# Altium PCB radioboard.PcbDoc (part 6 of 9)
Units mm, origin at the board's own origin, x right, y up, seen from the top; angles counter-clockwise.
Board outline 69.97 x 64.48 mm, 4 copper layers (Top Layer, Signal Layer 1, Signal Layer 2, Bottom Layer), stack 1.56 mm thick; 258 components, 165 nets, 993 pads, 10021 vias.
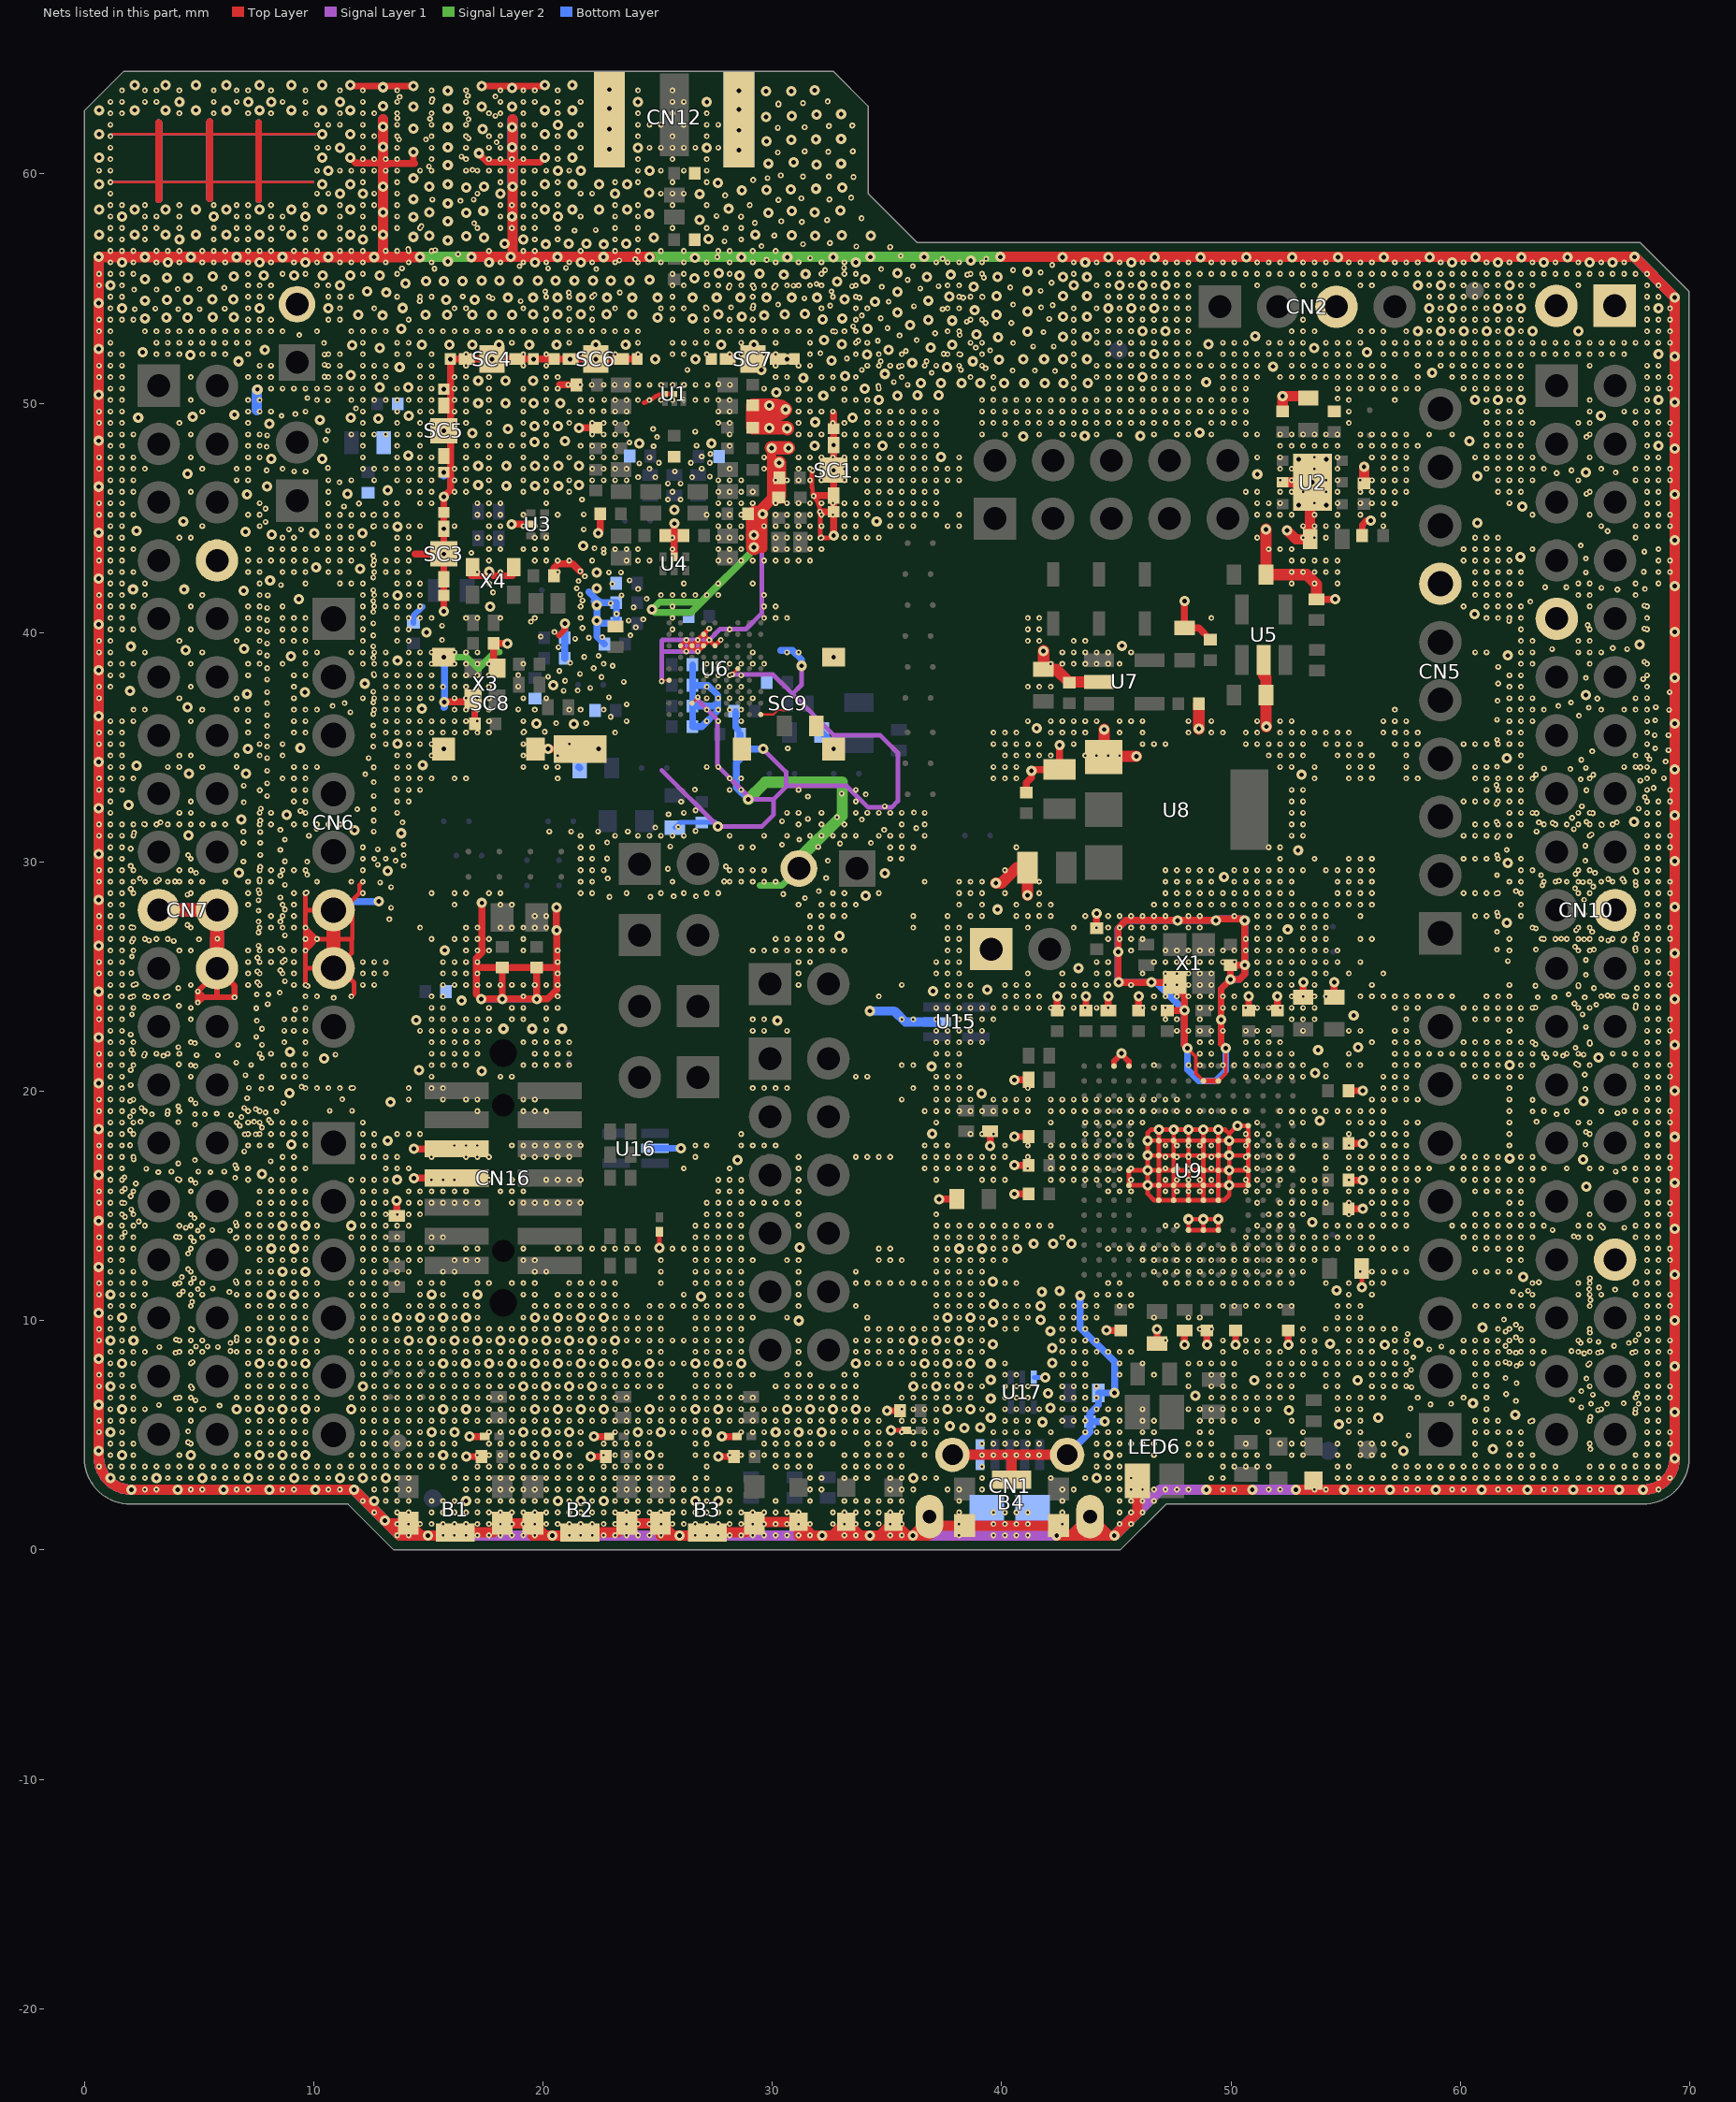
[diagram p8: the nets of this part, all layers, seen from the top]

## Via types
v1: diameter 0.25, hole 0.1, Signal Layer 2 to Bottom Layer, tented bottom, 4578 vias
v2: diameter 0.25, hole 0.1, Top Layer to Signal Layer 1, tented top, 4140 vias
v3: diameter 0.45, hole 0.2, Top Layer to Bottom Layer, tented both sides, 1295 vias
v4: diameter 0.25, hole 0.1, Top Layer to Signal Layer 1, tented both sides, 8 vias

## Nets (pads, with @x,y where several pads share a name; then routed paths per layer and width w, separated by ;. In a path a pad name is that pad's centre, name@x,y a point inside that pad or via, vN(x,y) a via of type N, cw(c..) or ccw(c..) an arc to the next point about the centre after c; other vN are vias at no path point) (continued)
GND: (continued)
  other v2: 30.143,0.638 39.643,0.638 40.143,0.638 40.643,0.638 41.143,0.638 30.143,1.138 34.143,1.138 39.643,1.138 40.143,1.138 40.643,1.138 41.143,1.138 45.143,1.138 12.643,1.638 15.143,1.638 15.643,1.638 16.143,1.638 16.643,1.638 17.143,1.638 20.643,1.638 21.143,1.638 21.643,1.638 22.143,1.638 22.643,1.638 26.143,1.638 26.643,1.638 27.143,1.638 27.643,1.638 28.143,1.638 30.143,1.638 34.143,1.638 39.643,1.638 40.143,1.638 40.643,1.638 41.143,1.638 45.143,1.638 45.643,1.638 12.143,2.138 13.143,2.138 15.143,2.138 15.643,2.138 16.143,2.138 17.143,2.138 21.143,2.138 22.143,2.138 26.143,2.138 27.143,2.138 28.143,2.138 30.143,2.138 34.143,2.138 2.643,2.638 3.143,2.638 4.643,2.638 5.143,2.638 6.643,2.638 7.143,2.638 8.643,2.638 9.143,2.638 10.643,2.638 11.143,2.638 12.643,2.638 13.143,2.638 32.143,2.638 36.143,2.638 39.143,2.638 44.643,2.638 49.643,2.638 50.143,2.638 55.643,2.638 56.143,2.638 57.643,2.638 58.143,2.638 59.643,2.638 60.143,2.638 61.643,2.638 62.143,2.638 63.643,2.638 64.143,2.638 65.643,2.638 66.143,2.638 1.643,3.138 2.143,3.138 2.643,3.138 3.643,3.138 4.143,3.138 4.643,3.138 5.643,3.138 6.143,3.138 6.643,3.138 7.643,3.138 8.143,3.138 8.643,3.138 9.643,3.138 10.143,3.138 10.643,3.138 11.643,3.138 12.643,3.138 32.143,3.138 34.143,3.138 39.143,3.138 43.643,3.138 44.643,3.138 49.143,3.138 49.643,3.138 54.643,3.138 55.143,3.138 55.643,3.138 56.143,3.138 56.643,3.138 57.143,3.138 57.643,3.138 58.143,3.138 58.643,3.138 59.143,3.138 59.643,3.138 60.143,3.138 60.643,3.138 61.143,3.138 61.643,3.138 62.143,3.138 62.643,3.138 63.143,3.138 63.643,3.138 64.143,3.138 64.643,3.138 65.143,3.138 65.643,3.138 66.143,3.138 66.643,3.138 67.143,3.138 67.643,3.138 68.143,3.138 68.643,3.138 69.143,3.138 0.643,3.638 1.143,3.638 1.643,3.638 2.143,3.638 2.643,3.638 3.143,3.638 3.643,3.638 4.143,3.638 4.643,3.638 5.143,3.638 5.643,3.638 6.143,3.638 6.643,3.638 7.143,3.638 7.643,3.638 8.143,3.638 8.643,3.638 9.143,3.638 9.643,3.638 10.143,3.638 10.643,3.638 11.143,3.638 11.643,3.638 12.143,3.638 12.643,3.638 13.143,3.638 14.143,3.638 14.643,3.638 15.143,3.638 15.643,3.638 16.143,3.638 19.143,3.638 19.643,3.638 20.143,3.638 20.643,3.638 21.143,3.638 21.643,3.638 24.643,3.638 25.143,3.638 27.143,3.638 30.143,3.638 30.643,3.638 31.143,3.638 31.643,3.638 33.143,3.638 33.643,3.638 34.143,3.638 34.643,3.638 35.143,3.638 35.643,3.638 39.143,3.638 44.143,3.638 44.643,3.638 49.643,3.638 54.643,3.638 55.143,3.638 57.143,3.638 57.643,3.638 58.143,3.638 58.643,3.638 59.143,3.638 59.643,3.638 60.143,3.638 60.643,3.638 61.143,3.638 61.643,3.638 62.143,3.638 62.643,3.638 63.143,3.638 63.643,3.638 64.143,3.638 65.643,3.638 66.143,3.638 66.643,3.638 67.143,3.638 67.643,3.638 68.143,3.638 68.643,3.638 1.143,4.138 2.143,4.138 4.143,4.138 6.643,4.138 7.143,4.138 8.143,4.138 9.143,4.138 12.143,4.138 12.643,4.138 14.643,4.138 15.143,4.138 16.143,4.138 19.143,4.138 20.143,4.138 21.143,4.138 25.143,4.138 26.643,4.138 27.143,4.138 30.143,4.138 30.643,4.138 31.143,4.138 31.643,4.138 33.643,4.138 34.143,4.138 34.643,4.138 35.143,4.138 35.643,4.138 39.143,4.138 39.643,4.138 40.143,4.138 40.643,4.138 41.143,4.138 41.643,4.138 44.143,4.138 48.143,4.138 48.643,4.138 49.143,4.138 49.643,4.138 54.643,4.138 60.643,4.138 62.143,4.138 62.643,4.138 63.143,4.138 67.643,4.138 68.143,4.138 68.643,4.138 65.675,4.4 1.143,4.638 1.643,4.638 7.143,4.638 7.643,4.638 8.143,4.638 8.643,4.638 9.143,4.638 9.643,4.638 12.143,4.638 15.143,4.638 15.643,4.638 16.143,4.638 18.643,4.638 19.143,4.638 19.643,4.638 20.143,4.638 20.643,4.638 21.143,4.638 21.643,4.638 24.143,4.638 24.643,4.638 26.643,4.638 27.143,4.638 29.643,4.638 30.143,4.638 30.643,4.638 31.143,4.638 31.643,4.638 32.143,4.638 32.643,4.638 34.143,4.638 34.643,4.638 35.143,4.638 39.143,4.638 39.643,4.638 40.143,4.638 40.643,4.638 41.143,4.638 41.643,4.638 44.143,4.638 44.643,4.638 45.143,4.638 45.643,4.638 46.143,4.638 46.643,4.638 48.143,4.638 48.643,4.638 49.143,4.638 54.643,4.638 57.143,4.638 60.643,4.638 62.143,4.638 62.643,4.638 68.143,4.638 68.643,4.638 69.143,4.638 4.525,4.7 57.75,5 0.643,5.138 1.643,5.138 7.143,5.138 7.643,5.138 8.143,5.138 8.643,5.138 9.143,5.138 9.643,5.138 12.143,5.138 12.643,5.138 15.643,5.138 18.643,5.138 19.643,5.138 20.643,5.138 21.643,5.138 24.643,5.138 26.643,5.138 29.643,5.138 30.643,5.138 31.643,5.138 32.643,5.138 33.143,5.138 34.643,5.138 37.143,5.138 39.643,5.138 40.143,5.138 40.643,5.138 41.143,5.138 42.143,5.138 43.643,5.138 44.143,5.138 44.643,5.138 48.643,5.138 49.143,5.138 55.143,5.138 60.643,5.138 61.143,5.138 61.643,5.138 62.143,5.138 62.643,5.138 68.143,5.138 68.643,5.138 69.143,5.138 4.525,5.175 63.05,5.6 0.643,5.638 1.143,5.638 1.643,5.638 2.143,5.638 4.643,5.638 7.143,5.638 7.643,5.638 8.143,5.638 8.643,5.638 9.143,5.638 9.643,5.638 12.143,5.638 12.643,5.638 14.643,5.638 15.143,5.638 15.643,5.638 16.143,5.638 16.643,5.638 17.143,5.638 19.143,5.638 19.643,5.638 20.143,5.638 20.643,5.638 21.143,5.638 21.643,5.638 22.143,5.638 22.643,5.638 24.143,5.638 24.643,5.638 25.143,5.638 26.643,5.638 27.143,5.638 27.643,5.638 28.143,5.638 30.143,5.638 30.643,5.638 31.143,5.638 31.643,5.638 32.143,5.638 32.643,5.638 33.143,5.638 33.643,5.638 37.143,5.638 40.143,5.638 40.643,5.638 41.143,5.638 42.643,5.638 43.143,5.638 43.643,5.638 50.143,5.638 51.143,5.638 52.643,5.638 55.143,5.638 55.643,5.638 60.643,5.638 61.143,5.638 61.643,5.638 68.143,5.638 68.643,5.638 65.675,5.8 67.625,5.975 66,6.1 1.143,6.138 2.143,6.138 2.643,6.138 4.143,6.138 7.143,6.138 8.143,6.138 9.143,6.138 10.143,6.138 12.143,6.138 16.143,6.138 17.143,6.138 19.143,6.138 20.143,6.138 21.143,6.138 22.143,6.138 24.143,6.138 25.143,6.138 27.143,6.138 28.143,6.138 30.143,6.138 31.143,6.138 32.143,6.138 33.143,6.138 37.143,6.138 38.143,6.138 39.143,6.138 40.143,6.138 40.643,6.138 41.143,6.138 41.643,6.138 42.643,6.138 43.143,6.138 43.643,6.138 44.143,6.138 44.643,6.138 50.143,6.138 50.643,6.138 51.143,6.138 51.643,6.138 54.643,6.138 55.143,6.138 55.643,6.138 61.143,6.138 68.143,6.138 68.643,6.138 5.2,6.15 57.825,6.175 65.275,6.225 5.9,6.3 3.25,6.325 58.7,6.35 59.6,6.375 65.7,6.375 66.4,6.375 67.775,6.375 67.125,6.4 62.425,6.5 4.85,6.525 64.875,6.55 4,6.625 1.143,6.638 1.643,6.638 2.143,6.638 6.643,6.638 7.143,6.638 7.643,6.638 8.143,6.638 8.643,6.638 9.143,6.638 9.643,6.638 11.643,6.638 12.143,6.638 19.143,6.638 19.643,6.638 20.143,6.638 20.643,6.638 21.143,6.638 21.643,6.638 22.143,6.638 22.643,6.638 25.143,6.638 26.643,6.638 27.143,6.638 27.643,6.638 28.143,6.638 30.643,6.638 31.143,6.638 31.643,6.638 32.143,6.638 32.643,6.638 33.143,6.638 33.643,6.638 37.143,6.638 37.643,6.638 38.143,6.638 38.643,6.638 40.143,6.638 40.643,6.638 41.143,6.638 42.643,6.638 43.143,6.638 43.643,6.638 44.143,6.638 49.143,6.638 49.643,6.638 50.143,6.638 50.643,6.638 51.143,6.638 51.643,6.638 52.143,6.638 52.643,6.638 54.643,6.638 55.143,6.638 55.643,6.638 56.143,6.638 56.643,6.638 58.143,6.638 60.143,6.638 61.143,6.638 68.143,6.638 68.643,6.638 69.143,6.638 65.775,6.775 62,6.8 67.725,6.825 65.275,6.925 4.7,7.05 57.875,7.1 0.643,7.138 1.643,7.138 7.143,7.138 7.643,7.138 8.143,7.138 8.643,7.138 9.143,7.138 9.643,7.138 15.643,7.138 16.143,7.138 16.643,7.138 17.143,7.138 19.643,7.138 20.643,7.138 21.643,7.138 22.643,7.138 24.643,7.138 25.143,7.138 26.643,7.138 27.143,7.138 27.643,7.138 28.143,7.138 30.143,7.138 30.643,7.138 31.143,7.138 31.643,7.138 32.143,7.138 32.643,7.138 33.143,7.138 33.643,7.138 36.643,7.138 37.643,7.138 38.643,7.138 39.143,7.138 40.143,7.138 40.643,7.138 41.143,7.138 42.643,7.138 43.143,7.138 43.643,7.138 44.143,7.138 51.643,7.138 52.143,7.138 52.643,7.138 54.143,7.138 54.643,7.138 56.143,7.138 56.643,7.138 60.643,7.138 61.143,7.138 68.143,7.138 68.643,7.138 69.143,7.138 62.45,7.275 65.5,7.475 61.975,7.5 0.643,7.638 1.143,7.638 1.643,7.638 7.143,7.638 7.643,7.638 8.143,7.638 8.643,7.638 9.143,7.638 9.643,7.638 12.143,7.638 15.643,7.638 16.143,7.638 16.643,7.638 17.143,7.638 17.643,7.638 18.143,7.638 18.643,7.638 19.143,7.638 19.643,7.638 20.143,7.638 20.643,7.638 21.143,7.638 21.643,7.638 22.143,7.638 22.643,7.638 23.143,7.638 23.643,7.638 24.143,7.638 24.643,7.638 25.143,7.638 26.643,7.638 27.143,7.638 27.643,7.638 28.143,7.638 28.643,7.638 29.143,7.638 30.643,7.638 31.143,7.638 31.643,7.638 33.143,7.638 33.643,7.638 36.143,7.638 36.643,7.638 37.143,7.638 37.643,7.638 38.143,7.638 38.643,7.638 40.143,7.638 40.643,7.638 42.643,7.638 43.143,7.638 43.643,7.638 45.143,7.638 51.643,7.638 52.143,7.638 52.643,7.638 53.143,7.638 54.143,7.638 54.643,7.638 56.143,7.638 56.643,7.638 60.643,7.638 61.143,7.638 68.143,7.638 68.643,7.638 57.85,7.85 62.45,8.025 65.575,8.075 1.143,8.138 2.143,8.138 7.143,8.138 8.143,8.138 9.143,8.138 12.143,8.138 16.143,8.138 17.143,8.138 18.143,8.138 19.143,8.138 20.143,8.138 21.143,8.138 22.143,8.138 23.143,8.138 24.143,8.138 25.143,8.138 27.143,8.138 28.143,8.138 31.143,8.138 36.143,8.138 37.143,8.138 38.143,8.138 40.143,8.138 43.143,8.138 43.643,8.138 45.143,8.138 48.143,8.138 48.643,8.138 49.143,8.138 49.643,8.138 50.143,8.138 51.643,8.138 52.143,8.138 52.643,8.138 53.143,8.138 53.643,8.138 54.143,8.138 54.643,8.138 55.143,8.138 55.643,8.138 56.143,8.138 56.643,8.138 60.643,8.138 61.143,8.138 68.143,8.138 68.643,8.138 4.725,8.2 61.975,8.2 57.95,8.4 65.4,8.575 3.975,8.6 62.425,8.6 66,8.6 67.5,8.6 1.143,8.638 1.643,8.638 2.143,8.638 2.643,8.638 7.643,8.638 8.143,8.638 8.643,8.638 9.143,8.638 9.643,8.638 10.143,8.638 11.643,8.638 12.143,8.638 15.643,8.638 16.143,8.638 16.643,8.638 17.143,8.638 17.643,8.638 18.143,8.638 18.643,8.638 19.143,8.638 19.643,8.638 20.143,8.638 20.643,8.638 21.143,8.638 21.643,8.638 22.143,8.638 22.643,8.638 23.143,8.638 24.643,8.638 25.143,8.638 26.643,8.638 27.143,8.638 27.643,8.638 28.143,8.638 28.643,8.638 31.143,8.638 36.143,8.638 36.643,8.638 37.143,8.638 37.643,8.638 38.143,8.638 38.643,8.638 39.143,8.638 42.643,8.638 43.143,8.638 43.643,8.638 44.143,8.638 44.643,8.638 45.143,8.638 45.643,8.638 49.643,8.638 50.643,8.638 52.143,8.638 53.143,8.638 53.643,8.638 54.643,8.638 55.143,8.638 55.643,8.638 56.143,8.638 60.143,8.638 60.643,8.638 61.143,8.638 68.143,8.638 68.643,8.638 69.143,8.638 6.375,8.675 64.85,8.675 58.65,8.75 3.275,8.85 5.825,8.85 4.875,8.875 5.375,8.875 59.175,8.875 61.975,8.9 66.7,8.9 6.375,9.025 65.25,9.025 67.35,9.025 66.025,9.075 0.643,9.138 1.643,9.138 7.643,9.138 8.643,9.138 9.643,9.138 10.143,9.138 11.643,9.138 13.143,9.138 13.643,9.138 14.643,9.138 15.643,9.138 16.643,9.138 17.643,9.138 18.643,9.138 19.643,9.138 20.643,9.138 21.643,9.138 22.643,9.138 24.643,9.138 25.143,9.138 26.643,9.138 27.143,9.138 27.643,9.138 28.143,9.138 28.643,9.138 31.143,9.138 36.643,9.138 37.643,9.138 38.643,9.138 39.143,9.138 42.643,9.138 43.143,9.138 43.643,9.138 44.143,9.138 53.643,9.138 55.143,9.138 55.643,9.138 56.143,9.138 60.643,9.138 61.143,9.138 68.143,9.138 68.643,9.138 69.143,9.138 4,9.175 6.65,9.275 62.425,9.275 57.7,9.425 67.775,9.4 65.65,9.475 61.975,9.525 4.7,9.6 0.643,9.638 1.143,9.638 1.643,9.638 7.643,9.638 8.143,9.638 8.643,9.638 9.143,9.638 9.643,9.638 13.143,9.638 13.643,9.638 14.143,9.638 14.643,9.638 15.143,9.638 15.643,9.638 16.143,9.638 16.643,9.638 17.143,9.638 17.643,9.638 18.143,9.638 18.643,9.638 19.143,9.638 19.643,9.638 20.143,9.638 20.643,9.638 21.143,9.638 21.643,9.638 22.143,9.638 22.643,9.638 23.143,9.638 24.643,9.638 25.143,9.638 26.643,9.638 27.143,9.638 27.643,9.638 28.143,9.638 28.643,9.638 36.143,9.638 36.643,9.638 37.143,9.638 37.643,9.638 38.143,9.638 38.643,9.638 39.143,9.638 42.643,9.638 43.143,9.638 43.643,9.638 54.143,9.638 54.643,9.638 55.143,9.638 55.643,9.638 56.143,9.638 68.143,9.638 68.643,9.638 62.425,9.825 61.9,10.05 1.143,10.138 7.643,10.138 8.143,10.138 8.643,10.138 9.143,10.138 9.643,10.138 13.143,10.138 14.143,10.138 15.143,10.138 16.143,10.138 17.143,10.138 19.143,10.138 20.143,10.138 21.143,10.138 22.143,10.138 23.143,10.138 24.643,10.138 25.143,10.138 26.643,10.138 27.143,10.138 27.643,10.138 28.143,10.138 28.643,10.138 29.143,10.138 30.643,10.138 37.143,10.138 38.143,10.138 39.143,10.138 42.643,10.138 43.143,10.138 43.643,10.138 44.143,10.138 54.643,10.138 55.143,10.138 55.643,10.138 68.143,10.138 68.643,10.138 1.143,10.638 1.643,10.638 7.643,10.638 8.143,10.638 8.643,10.638 9.143,10.638 9.643,10.638 14.143,10.638 14.643,10.638 15.143,10.638 15.643,10.638 16.143,10.638 16.643,10.638 17.143,10.638 19.643,10.638 20.143,10.638 20.643,10.638 21.143,10.638 21.643,10.638 22.143,10.638 22.643,10.638 23.143,10.638 24.643,10.638 25.143,10.638 26.643,10.638 27.143,10.638 27.643,10.638 28.143,10.638 28.643,10.638 31.143,10.638 37.143,10.638 37.643,10.638 38.143,10.638 38.643,10.638 39.143,10.638 42.643,10.638 43.143,10.638 43.643,10.638 44.143,10.638 54.643,10.638 55.143,10.638 55.643,10.638 68.143,10.638 68.643,10.638 69.143,10.638 4.7,10.825 65.675,10.9 0.643,11.138 7.643,11.138 8.643,11.138 9.643,11.138 10.143,11.138 11.643,11.138 14.643,11.138 15.643,11.138 16.643,11.138 19.143,11.138 19.643,11.138 20.643,11.138 21.143,11.138 21.643,11.138 22.143,11.138 22.643,11.138 23.143,11.138 27.643,11.138 28.143,11.138 28.643,11.138 31.143,11.138 37.143,11.138 37.643,11.138 38.143,11.138 38.643,11.138 39.143,11.138 44.143,11.138 44.643,11.138 55.143,11.138 56.143,11.138 67.643,11.138 68.143,11.138 68.643,11.138 69.143,11.138 6.325,11.25 4.3,11.275 62.3,11.275 62.95,11.3 66.75,11.35 4.95,11.375 65.625,11.375 5.6,11.4 66.05,11.45 3.95,11.6 0.643,11.638 7.643,11.638 8.143,11.638 8.643,11.638 9.143,11.638 9.643,11.638 10.143,11.638 11.643,11.638 14.643,11.638 15.143,11.638 15.643,11.638 17.143,11.638 17.643,11.638 18.643,11.638 19.143,11.638 19.643,11.638 21.143,11.638 21.643,11.638 22.143,11.638 22.643,11.638 23.143,11.638 25.143,11.638 26.643,11.638 27.143,11.638 27.643,11.638 28.143,11.638 28.643,11.638 31.143,11.638 37.143,11.638 37.643,11.638 38.143,11.638 38.643,11.638 39.143,11.638 44.643,11.638 68.143,11.638 68.643,11.638 63.425,11.675 67.675,11.675 6.6,11.725 4.775,11.85 65.65,11.85 4.25,11.9 7.643,12.138 8.143,12.138 9.143,12.138 25.143,12.138 26.643,12.138 27.143,12.138 27.643,12.138 28.143,12.138 28.643,12.138 31.143,12.138 37.143,12.138 37.643,12.138 38.143,12.138 38.643,12.138 39.143,12.138 62.143,12.138 68.143,12.138 68.643,12.138 4.525,12.25 7.643,12.638 8.143,12.638 8.643,12.638 9.143,12.638 9.643,12.638 25.143,12.638 26.643,12.638 27.143,12.638 27.643,12.638 28.143,12.638 28.643,12.638 29.143,12.638 30.643,12.638 31.143,12.638 37.143,12.638 37.643,12.638 38.143,12.638 38.643,12.638 39.143,12.638 39.643,12.638 40.143,12.638 62.143,12.638 62.643,12.638 68.143,12.638 68.643,12.638 69.143,12.638 4.525,12.925 0.643,13.138 7.643,13.138 8.643,13.138 9.643,13.138 14.143,13.138 26.643,13.138 27.143,13.138 27.643,13.138 28.143,13.138 28.643,13.138 37.143,13.138 37.643,13.138 38.643,13.138 39.643,13.138 40.143,13.138 54.143,13.138 54.643,13.138 55.643,13.138 62.143,13.138 62.643,13.138 68.143,13.138 68.643,13.138 69.143,13.138 4.775,13.45 6.6,13.6 65.675,13.6 0.643,13.638 7.643,13.638 8.143,13.638 8.643,13.638 9.143,13.638 9.643,13.638 10.143,13.638 26.643,13.638 27.143,13.638 27.643,13.638 28.143,13.638 28.643,13.638 37.143,13.638 37.643,13.638 38.143,13.638 38.643,13.638 39.143,13.638 39.643,13.638 40.143,13.638 40.643,13.638 42.643,13.638 53.643,13.638 54.143,13.638 54.643,13.638 55.143,13.638 55.643,13.638 56.143,13.638 62.143,13.638 62.643,13.638 63.143,13.638 68.143,13.638 68.643,13.638 4,13.65 64.95,13.675 1.775,13.85 4.95,13.925 6.35,13.925 5.575,13.95 64.025,13.95 4.425,14.05 66.225,14.05 67.15,14.05 7.643,14.138 8.143,14.138 9.143,14.138 10.143,14.138 26.643,14.138 27.143,14.138 27.643,14.138 28.143,14.138 28.643,14.138 31.143,14.138 37.143,14.138 37.643,14.138 38.143,14.138 38.643,14.138 39.143,14.138 39.643,14.138 40.143,14.138 40.643,14.138 41.143,14.138 41.643,14.138 42.143,14.138 54.143,14.138 54.643,14.138 55.143,14.138 55.643,14.138 56.143,14.138 62.143,14.138 62.643,14.138 63.143,14.138 65.143,14.138 67.643,14.138 68.143,14.138 68.643,14.138 6.6,14.275 2.375,14.325 4.8,14.475 1.775,14.525 7.643,14.638 8.143,14.638 8.643,14.638 9.143,14.638 9.643,14.638 27.143,14.638 27.643,14.638 28.143,14.638 28.643,14.638 31.143,14.638 37.143,14.638 62.143,14.638 62.643,14.638 65.643,14.638 68.143,14.638 68.643,14.638 69.143,14.638 2.05,14.85 0.643,15.138 1.75,15.125 7.643,15.138 8.143,15.138 8.643,15.138 9.143,15.138 9.643,15.138 27.143,15.138 27.643,15.138 28.143,15.138 28.643,15.138 29.143,15.138 29.643,15.138 30.143,15.138 30.643,15.138 31.143,15.138 56.143,15.138 62.143,15.138 62.643,15.138 68.143,15.138 68.643,15.138 69.143,15.138 2.025,15.425 0.643,15.638 7.643,15.638 8.143,15.638 8.643,15.638 9.143,15.638 9.643,15.638 13.143,15.638 14.143,15.638 27.643,15.638 28.143,15.638 28.643,15.638 31.143,15.638 56.143,15.638 62.143,15.638 62.643,15.638 68.143,15.638 68.643,15.638 1.775,15.75 2.25,15.975 4.85,16 8.143,16.138 8.643,16.138 9.143,16.138 13.143,16.138 28.143,16.138 28.643,16.138 31.143,16.138 37.143,16.138 39.143,16.138 39.643,16.138 40.143,16.138 62.143,16.138 62.643,16.138 63.143,16.138 67.643,16.138 68.143,16.138 68.643,16.138 4.075,16.175 6.575,16.225 1.75,16.25 3.225,16.475 5.5,16.475 3.8,16.5 4.975,16.5 6.1,16.5 66.775,16.5 2.7,16.625 8.643,16.638 9.143,16.638 13.143,16.638 13.643,16.638 14.143,16.638 31.143,16.638 37.143,16.638 37.643,16.638 38.143,16.638 38.643,16.638 39.143,16.638 39.643,16.638 56.143,16.638 62.643,16.638 66.143,16.638 67.643,16.638 68.143,16.638 68.643,16.638 69.143,16.638 6.575,16.775 4.1,16.85 8.125,16.95 4.825,17 2.15,17.025 0.643,17.138 8.643,17.138 9.143,17.138 13.143,17.138 13.643,17.138 36.643,17.138 37.143,17.138 37.643,17.138 38.143,17.138 38.643,17.138 39.143,17.138 39.643,17.138 40.143,17.138 56.143,17.138 68.143,17.138 68.643,17.138 69.143,17.138 6.975,17.375 0.643,17.638 2,17.65 28.643,17.638 29.143,17.638 29.643,17.638 30.143,17.638 36.643,17.638 37.143,17.638 37.643,17.638 62.143,17.638 68.143,17.638 68.643,17.638 65.45,17.675 7,18.125 7.475,18.125 13.643,18.138 14.143,18.138 28.643,18.138 62.143,18.138 68.143,18.138 68.643,18.138 65.475,18.225 2,18.3 7.75,18.425 6.775,18.5 4.825,18.55 37.143,18.638 55.143,18.638 55.643,18.638 62.143,18.638 65.143,18.638 65.643,18.638 67.643,18.638 68.143,18.638 68.643,18.638 69.143,18.638 4.1,18.65 2.45,18.675 7.4,18.675 63.325,18.675 8.05,18.75 6.85,18.875 2,18.9 6.4,18.975 2.95,19 3.625,19 4.825,19 5.25,19 64.2,19 5.775,19.025 66.85,19.05 7.9,19.075 8.375,19.125 63.15,19.125 0.643,19.138 10.7,19.15 11.675,19.15 37.143,19.138 37.643,19.138 54.143,19.138 54.643,19.138 55.143,19.138 55.643,19.138 62.143,19.138 63.643,19.138 64.643,19.138 66.143,19.138 67.643,19.138 68.143,19.138 68.643,19.138 69.143,19.138 7.475,19.225 2.5,19.275 6.975,19.275 4.1,19.35 4.85,19.475 8.675,19.5 2,19.575 63.15,19.625 0.643,19.638 11.25,19.65 14.143,19.638 37.143,19.638 37.643,19.638 62.143,19.638 68.143,19.638 68.643,19.638 7.1,19.7 7.725,20.1 65.45,20.1 14.143,20.138 29.143,20.138 29.643,20.138 30.143,20.138 30.643,20.138 37.143,20.138 37.643,20.138 38.143,20.138 38.643,20.138 62.143,20.138 68.143,20.138 68.643,20.138 7.175,20.15 11.725,20.15 9.475,20.2 2.025,20.275 7.725,20.625 8.693,20.638 9.143,20.638 9.643,20.638 18.143,20.638 18.643,20.638 37.143,20.638 37.643,20.638 38.143,20.638 62.143,20.638 68.143,20.638 68.643,20.638 69.143,20.638 7.025,20.7 65.425,20.725 2.025,20.925 4.85,21.1 0.643,21.138 7.275,21.15 8.693,21.138 9.143,21.138 9.643,21.138 15.143,21.138 15.643,21.138 16.143,21.138 16.643,21.138 19.143,21.138 19.643,21.138 20.143,21.138 20.643,21.138 21.143,21.138 37.643,21.138 38.143,21.138 54.143,21.138 55.143,21.138 55.643,21.138 65.643,21.138 67.643,21.138 68.143,21.138 68.643,21.138 69.143,21.138 4.125,21.175 65.05,21.2 6.625,21.25 7.75,21.45 63.75,21.475 2.6,21.55 3.45,21.55 64.475,21.55 4.9,21.575 5.825,21.575 10.95,21.6 65.375,21.6 0.643,21.638 9.643,21.638 15.143,21.638 15.643,21.638 16.143,21.638 16.643,21.638 17.143,21.638 19.643,21.638 20.143,21.638 20.643,21.638 21.143,21.638 37.143,21.638 37.643,21.638 38.143,21.638 55.143,21.638 62.143,21.638 67.143,21.638 